# KiCad board GateMateA1-EVB_Rev_B.kicad_pcb (continued)
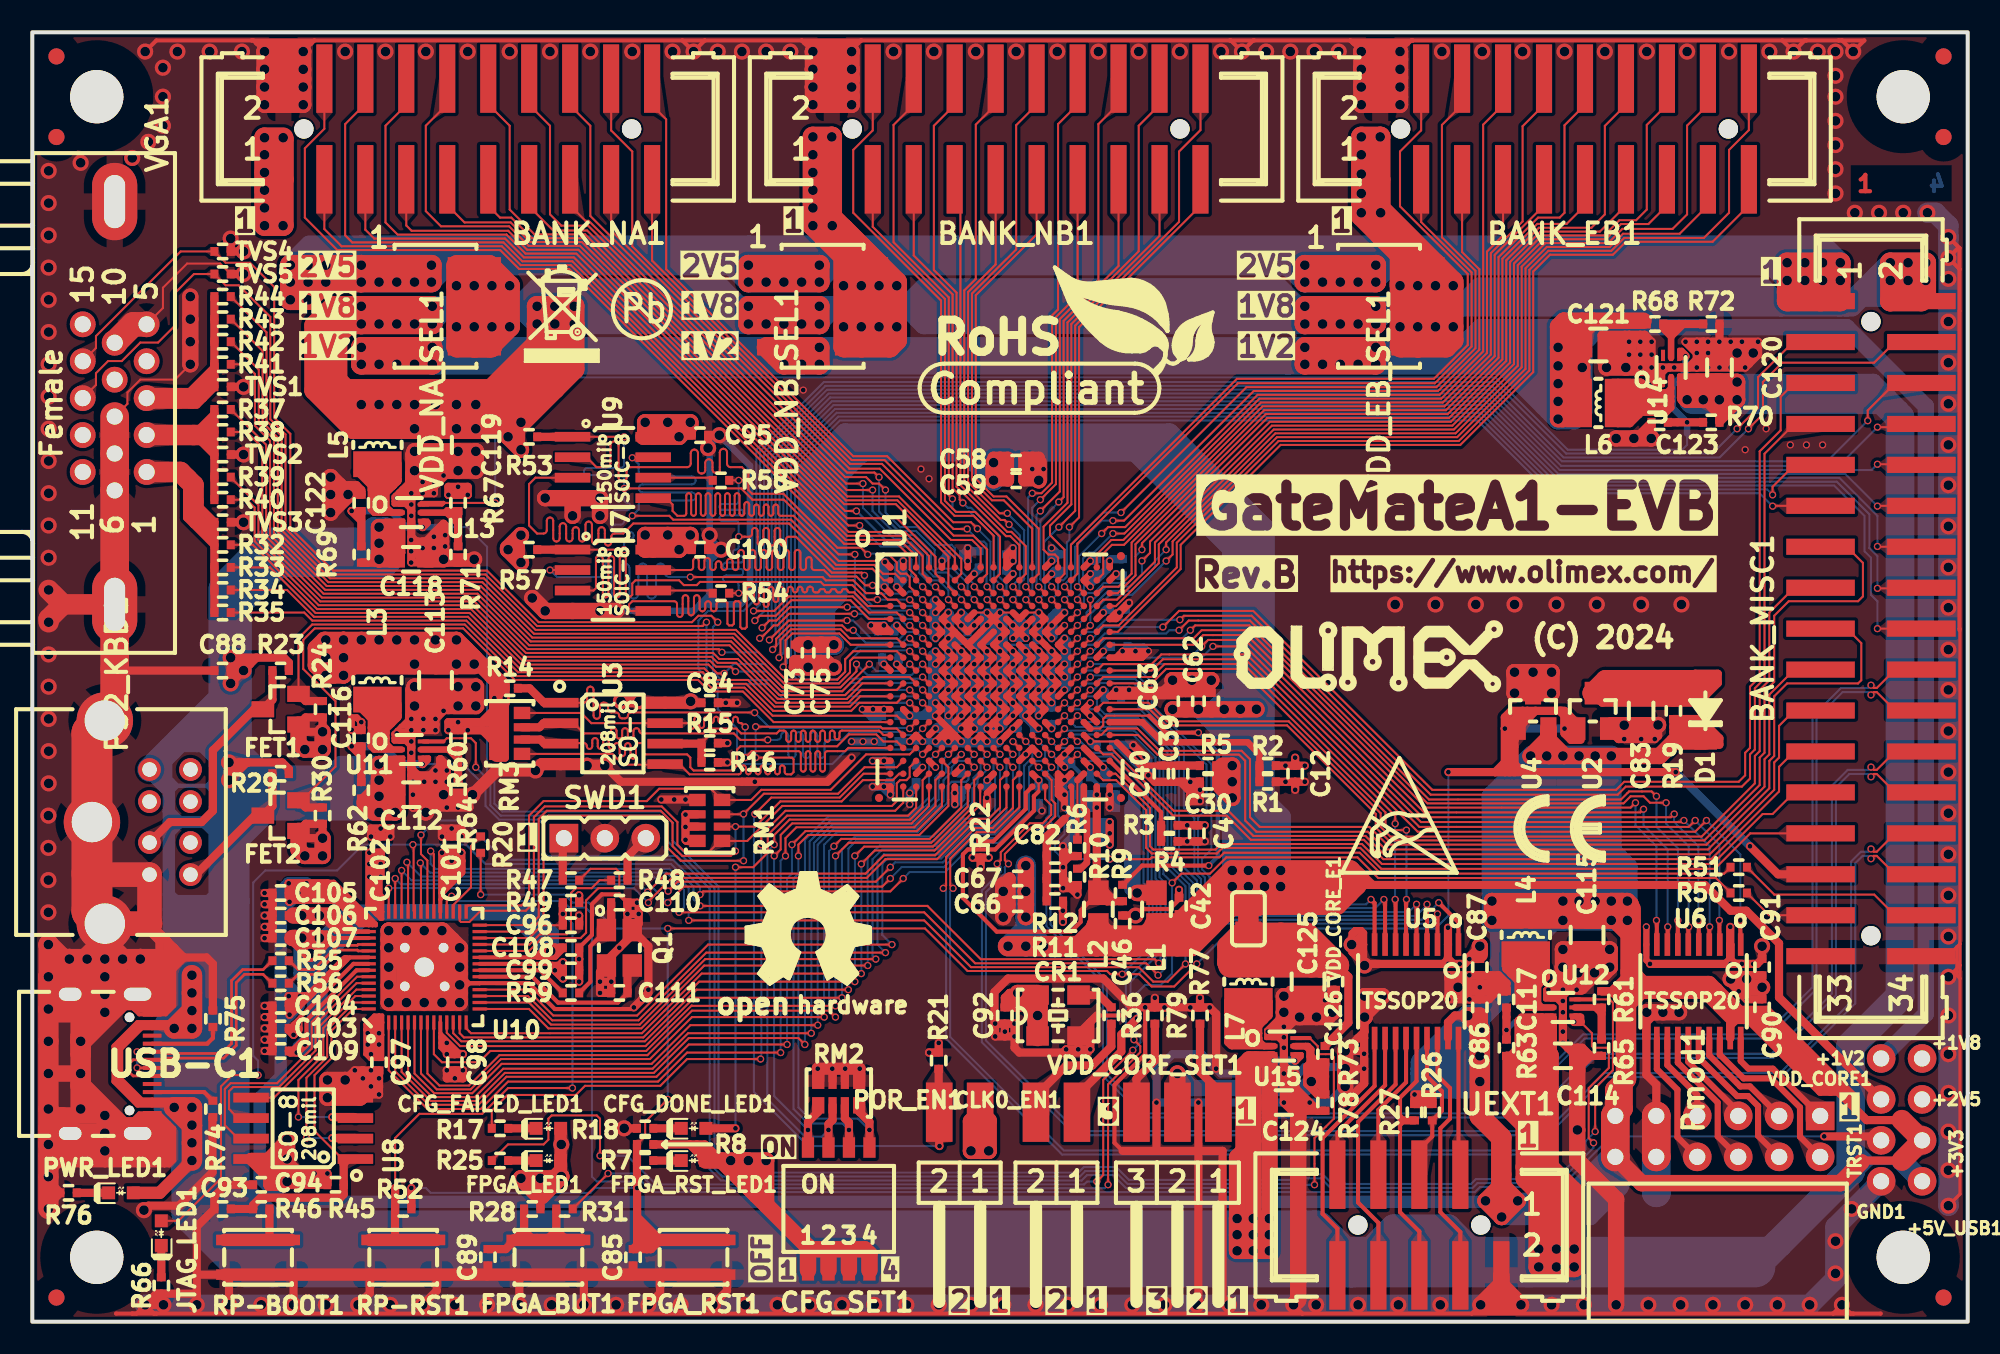
[diagram p0: board, top side]
## Routing (per net, layer and track width the routed paths; a pad name or vN(x,y) marks a point on that pad's centre or on a via; arc(x,y) is an arc through that point) (continued)
/SER_RX_P: length 95.9
  Top w0.127: v1(56.48,26.89) 56.66,27.06 56.66,28.84 58.45,30.63 59.55,30.63 60.8,31.88 60.8,33.6 U1.U11 ; BANK_MISC1.30 115.5,27.76 114.36,28.9 114.18,28.9 v1(114,28.73)
  Bottom w0.127: v1(114,28.73) 113.82,28.9 113.48,28.9 113.03,28.45 113.03,19.75 108.45,15.17 97.57,15.17 92.77,10.37 63.85,10.37 56.66,17.56 56.66,26.71 v1(56.48,26.89)
/SER_TX_N: length 96.5
  Top w0.127: BANK_MISC1.26 115.5,32.84 114.36,33.98 114.18,33.98 v1(114,33.81) ; U1.V13 62.8,32.42 63.17,32.05 63.17,31.45 62.65,30.93 61.85,30.93 60.05,29.13 60.05,28.63 v1(59.82,28.41)
  Bottom w0.127: v1(114,33.81) 113.82,33.98 112.66,33.98 111.83,33.15 111.83,20.25 107.95,16.37 96.87,16.37 92.07,11.57 64.65,11.57 58.87,17.35 58.87,26.75 60.05,27.93 60.05,28.19 v1(59.82,28.41)
/SER_TX_P: length 97
  Top w0.127: v1(60.52,28.41) 60.3,28.63 60.3,29.02 61.95,30.67 62.75,30.67 63.43,31.35 63.43,32.15 63.2,32.38 63.2,33.6 U1.U13 ; BANK_MISC1.24 115.5,35.38 114.36,34.24 114.18,34.24 v1(114,34.41)
  Bottom w0.127: v1(60.52,28.41) 60.3,28.19 60.3,27.82 59.13,26.65 59.13,17.45 64.75,11.83 91.97,11.83 96.77,16.63 107.85,16.63 111.57,20.35 111.57,33.25 112.56,34.24 113.82,34.24 v1(114,34.41)
/UEXT_CS#: length 16.4
  Top w0.254: U5.12 83.22,14.62 80,11.4 80,6.7 80.92,5.78 UEXT1.10
/UEXT_MISO: length 9.2
  Top w0.254: U5.15 85.18,14.86 83.46,13.14 UEXT1.7
/UEXT_MOSI: length 16.2
  Top w0.254: UEXT1.8 83.46,6.14 82.2,7.4 82.2,12.4 84.53,14.72 U5.14
/UEXT_RXD: length 15.8
  Top w0.254: UEXT1.4 88.54,5.56 87.3,6.8 87.3,12 87.9,12.6 87.9,14.5 87.12,15.28 U5.18
/UEXT_SCK: length 9.7
  Top w0.254: UEXT1.9 80.92,11.72 83.88,14.67 U5.13
/UEXT_SCL: length 9.4
  Top w0.254: UEXT1.5 86,10.7 86.8,11.5 R26.2 87.4,13.09 87.4,14.3 86.47,15.22 U5.17
/UEXT_SDA: length 17.3
  Top w0.254: 84.8,12.8 84.8,13.9 85.82,14.92 U5.16 ; 84.8,12.8 84.8,12 ; 84.8,12.8 85.11,12.49 84.8,12.18 84.8,12 ; UEXT1.6 86,5.6 84.8,6.8 84.8,12
  Top w0.508: R27.2 85.11,12.49
/UEXT_TXD: length 8.5
  Top w0.254: U5.20 88.43,9.24 UEXT1.3
/USB_D+: length 15.7
  Top w0.165: USB-C1.B6 6.25,15.25 6,15.5 6,16 6.25,16.25 USB-C1.A6 8.29,16.25 8.4,16.35 11.86,16.35 12.65,17.14 12.65,21.04 13.16,21.55 14.31,21.55 14.87,21 R56.1
/USB_D-: length 15
  Top w0.165: USB-C1.A7 v1(6.5,15.75) ; v1(6.5,16.75) USB-C1.B7 8.29,16.75 8.4,16.65 11.74,16.65 12.35,17.26 12.35,21.16 13.04,21.85 14.31,21.85 14.87,22.4 R55.1
  Bottom w0.165: v1(6.5,15.75) v1(6.5,16.75)
/VGA_Blue_0: length 59.5
  Top w0.127: R44.2 14.52,61.39 14.52,55.89 15.46,54.95 15.46,49.11 18.45,46.12 28,46.12 31.2,42.92 43.63,42.92 46.71,39.84 49.91,39.84 50.4,40.33 50.4,41.1 50.9,41.6 53.6,41.6 U1.H2
/VGA_Blue_1: length 57.3
  Top w0.127: U1.H1 50.9,41.2 50.7,41 50.7,40.29 50.01,39.6 46.61,39.6 43.53,42.68 31.1,42.68 27.9,45.88 18.35,45.88 15.22,49.01 15.22,54.85 14.28,55.79 14.28,60.22 R43.2
/VGA_Blue_2: length 59.1
  Top w0.127: U1.J4 v1(55.2,40.8) ; v1(51.1,40.8) 51.1,40.35 50.1,39.36 46.57,39.36 46.56,39.36 46.51,39.36 43.43,42.44 31,42.44 27.8,45.64 18.25,45.64 14.98,48.92 14.98,54.75 14.04,55.69 14.04,59.06 R42.2
  Bottom w0.127: v1(51.1,40.8) 51.77,40.13 54.53,40.13 v1(55.2,40.8)
/VGA_Blue_3: length 57.4
  Top w0.127: v1(51.9,40.8) 50.22,39.12 46.47,39.12 46.47,39.12 46.42,39.12 43.33,42.21 30.91,42.21 27.71,45.41 18.16,45.41 14.74,48.82 14.74,54.66 13.81,55.59 13.81,58.79 13.2,59.4 R41.2 ; U1.J3 v1(54.4,40.8)
  Bottom w0.127: v1(54.4,40.8) 53.97,40.37 52.33,40.37 v1(51.9,40.8)
/VGA_Green_0: length 48.6
  Top w0.127: R40.2 13.3,51 13.78,50.52 13.78,48.43 17.76,44.45 27.31,44.45 30.51,41.25 42.12,41.25 42.49,40.88 43.65,40.88 46.12,38.4 50.6,38.4 51.4,39.2 53.6,39.2 U1.K2
/VGA_Green_1: length 48.3
  Top w0.127: R39.2 12.31,52.38 14.02,50.66 14.02,48.53 17.86,44.69 27.41,44.69 30.61,41.49 42.22,41.49 42.59,41.12 43.75,41.12 46.22,38.64 46.27,38.64 46.27,38.64 50.5,38.64 51.46,39.6 U1.K1
/VGA_Green_2: length 53.6
  Top w0.127: v1(42.76,41.53) 42.57,41.73 30.71,41.73 27.51,44.93 17.96,44.93 14.26,48.63 14.26,54.24 13.3,55.2 R38.2 ; U1.K4 v1(55.2,40)
  Bottom w0.127: v1(42.76,41.53) 45.02,41.53 47.19,39.36 50.12,39.36 50.66,39.89 55.09,39.89 v1(55.2,40)
/VGA_Green_3: length 53.8
  Top w0.127: U1.K3 54.4,40 51.52,40 50.4,38.88 46.37,38.88 46.37,38.88 46.32,38.88 43.23,41.97 30.81,41.97 27.61,45.17 18.06,45.17 14.5,48.72 14.5,54.41 R37.2
/VGA_HSync: length 76.8
  Top w0.127: VGA1.13 3.95,58.12 3.95,58.85 4.7,59.6 5.55,59.6 6.7,60.75 7.8,60.75 8.8,61.75 8.8,63.78 10.03,65 TVS5.2 11.99,64.3 12.8,64.3 14.76,62.34 14.76,55.99 15.7,55.05 15.7,49.21 18.55,46.36 28.1,46.36 31.3,43.16 41.56,43.16 v1(41.8,43.4) ; U1.M3 v1(54.4,38.4)
  Bottom w0.127: v1(54.4,38.4) 46.8,38.4 45.65,39.55 42.65,39.55 41.8,40.4 v1(41.8,43.4)
/VGA_Red_0: length 44.6
  Top w0.127: R35.2 16.86,44 17.36,43.5 26.91,43.5 30.11,40.3 41.57,40.3 42.28,39.58 44.26,39.58 45.94,37.9 50.78,37.9 51.28,38.4 53.6,38.4 U1.L2
/VGA_Red_1: length 44.2
  Top w0.127: R34.2 15.8,45.4 17.46,43.73 27.01,43.73 30.21,40.53 41.67,40.53 42.38,39.82 44.37,39.82 46.03,38.16 50.7,38.16 51.34,38.8 U1.L1
/VGA_Red_2: length 47.5
  Top w0.127: R33.2 14.74,46.8 17.56,43.97 27.11,43.97 30.31,40.77 41.92,40.77 42.47,40.22 v1(42.9,40.22) ; U1.L4 v1(55.2,39.2)
  Bottom w0.127: v1(42.9,40.22) 43.48,40.8 45.41,40.8 47.1,39.12 50.22,39.12 50.74,39.64 54.76,39.64 v1(55.2,39.2)
/VGA_Red_3: length 46.7
  Top w0.127: v1(43.6,40.34) 43.3,40.64 42.39,40.64 42.02,41.01 30.41,41.01 27.21,44.21 17.66,44.21 13.67,48.2 R32.2 ; U1.L3 v1(54.4,39.2)
  Bottom w0.127: v1(43.6,40.34) 45.54,40.34 47,38.88 50.38,38.88 50.7,39.2 v1(54.4,39.2)
/VGA_VSync: length 78.3
  Top w0.127: U1.M4 v1(55.2,38.4) ; v1(42.5,43.4) 42.1,43.8 41.3,43.8 40.9,43.4 31.4,43.4 28.2,46.6 18.65,46.6 16,49.25 16,55.09 15,56.09 15,64.2 13.5,65.7 11.99,65.7 TVS4.2 9.2,66.4 3.95,61.15 3.95,60.41 VGA1.14
  Bottom w0.127: v1(42.5,43.4) 42.2,43.1 42.2,40.34 42.73,39.81 45.73,39.81 46.9,38.64 50.49,38.64 50.65,38.8 54.8,38.8 v1(55.2,38.4)
/WB_A8: length 90.6
  Top w0.127: BANK_MISC1.9 109.26,53.16 107.9,51.8 v1(107.9,51.3) ; U1.H3 v1(54.4,41.6)
  Bottom w0.127: v1(107.9,51.3) 107.56,51.64 94.22,51.64 89.71,56.15 49.97,56.15 47.05,53.23 47.05,53.19 47.04,53.18 47.04,40.22 47.65,39.61 50.03,39.61 50.7,40.28 50.7,41 51.35,41.65 54.35,41.65 v1(54.4,41.6)
/WB_B8: length 90
  Top w0.127: U1.H4 v1(55.2,41.6) ; v1(107.9,50.6) 107.92,50.62 BANK_MISC1.11
  Bottom w0.127: v1(55.2,41.6) 54.8,42 54.2,42 54.09,41.89 51.19,41.89 50.4,41.1 50.4,40.32 49.93,39.85 47.75,39.85 47.28,40.32 47.28,53.08 47.29,53.09 47.29,53.14 50.07,55.91 89.61,55.91 94.12,51.4 107.1,51.4 v1(107.9,50.6)
/WC_A0: length 102.3
  Top w0.127: v1(46.56,40.62) 46.7,40.77 46.7,42.27 47.13,42.7 50.04,42.7 50.74,42 U1.G1 ; v1(114.4,43) BANK_MISC1.18
  Bottom w0.127: v1(114.4,43) 114.4,44.7 114,45.1 114,47.4 113.6,47.8 113.6,50 111.72,51.88 94.32,51.88 89.81,56.39 49.87,56.39 46.81,53.33 46.81,53.29 46.8,53.28 46.8,40.87 v1(46.56,40.62)
/WC_A1: length 99.4
  Top w0.127: U1.G3 v1(54.4,42.4) ; v1(50.9,42.9) 50.51,42.9 50.21,43.2 46.95,43.2 46.12,42.38 46.12,41.92 v1(45.9,41.7) ; v1(114.4,48.1) 114.42,48.08 BANK_MISC1.14
  Bottom w0.127: v1(114.4,48.1) 114.4,50 112.04,52.36 94.52,52.36 90.01,56.87 49.67,56.87 46.33,53.53 46.33,53.49 46.32,53.47 46.32,42.12 v1(45.9,41.7) ; v1(54.4,42.4) 54.22,42.4 53.95,42.13 51.67,42.13 v1(50.9,42.9)
/WC_A2: length 97.3
  Top w0.127: v1(50.98,43.92) 46.92,43.92 46.2,43.2 45.97,43.2 45.17,42.4 v1(45.1,42.4) ; v1(114.4,53.2) 117.09,53.2 BANK_MISC1.10 ; U1.F3 v1(54.4,43.2)
  Bottom w0.127: v1(114.4,53.2) 114.04,52.84 94.71,52.84 90.2,57.34 49.47,57.34 45.84,53.72 45.84,43.08 45.17,42.4 v1(45.1,42.4) ; v1(54.4,43.2) 54.21,43.2 53.77,43.64 51.8,43.64 51.52,43.92 v1(50.98,43.92)
/WC_A3: length 97.7
  Top w0.127: v1(44.8,43.5) 45.1,43.8 46.1,43.8 47.06,44.76 50.73,44.76 51.89,43.6 U1.E1 ; v1(113.8,55.9) 113.8,56.54 115.5,58.24 BANK_MISC1.6
  Bottom w0.127: v1(113.8,55.9) 111.28,53.38 94.84,53.38 90.4,57.82 49.28,57.82 45.37,53.91 45.37,44.07 v1(44.8,43.5)
/WC_B0: length 100.7
  Top w0.127: BANK_MISC1.16 117.09,45.5 v1(114.4,45.5) ; v1(46.3,41.2) 46.39,41.29 46.39,42.3 47.05,42.96 50.11,42.96 50.67,42.4 53.6,42.4 U1.G2
  Bottom w0.127: v1(114.4,45.5) 114.4,47.5 113.9,48 113.9,50.1 111.88,52.12 94.42,52.12 89.91,56.63 49.77,56.63 46.57,53.43 46.57,53.39 46.56,53.37 46.56,41.46 v1(46.3,41.2)
/WC_B1: length 98.1
  Top w0.127: U1.G4 v1(55.2,42.4) ; 45.74,42.34 v1(45.7,42.3) 46.9,43.5 50.51,43.5 v1(50.52,43.51) ; BANK_MISC1.12 114.42,50.62 v1(114.4,50.6)
  Bottom w0.127: v1(45.7,42.3) 46.08,42.68 46.08,53.57 46.1,53.58 46.1,53.63 49.57,57.11 90.11,57.11 94.61,52.6 112.4,52.6 v1(114.4,50.6) ; v1(50.52,43.51) 50.89,43.51 52.03,42.37 53.77,42.37 54.2,42.8 54.8,42.8 v1(55.2,42.4)
/WC_B2: length 98.4
  Top w0.127: v1(114.4,55.5) 116.93,55.5 BANK_MISC1.8 ; U1.F4 v1(55.2,43.2) ; v1(50.53,44.33) 46.97,44.33 46.14,43.5 45.7,43.5 v1(45.25,43.05)
  Bottom w0.127: v1(114.4,55.5) 112,53.1 94.79,53.1 90.3,57.58 49.37,57.58 45.61,53.82 45.61,43.41 v1(45.25,43.05) ; v1(55.2,43.2) 54.8,43.6 54.21,43.6 53.93,43.88 51.92,43.88 51.47,44.33 v1(50.53,44.33)
/WC_B3: length 100
  Top w0.127: U1.E2 53.6,44 51.87,44 50.87,45 46.9,45 46,44.1 v1(44.72,44.1) ; v1(106.4,55.4) 107.3,56.3 107.3,58.3 108.5,59.5 114.2,59.5 115.48,60.78 BANK_MISC1.4
  Bottom w0.127: v1(44.72,44.1) 45.13,44.51 45.13,54.01 49.18,58.06 90.5,58.06 94.94,53.62 104.62,53.62 v1(106.4,55.4)
/~{BOOTSEL}: length 6.1
  Top w0.508: R46.2 14.71,5.08 14.7,5.08
  Top w0.762: RP-BOOT1.1 RP-BOOT1.1
Net-(BANK_MISC1-Pad31): length 5.1
  Top w0.127: BANK_MISC1.31 107.69,25.22 R50.2
Net-(BANK_MISC1-Pad32): length 12.1
  Top w0.127: BANK_MISC1.32 115.48,25.22 114.2,26.5 108.01,26.5 R51.1
Net-(C89-Pad1): length 12.3
  Top w0.508: 32.49,5.67 31.9,5.08 ; 32.49,5.67 32.51,5.67 33.1,5.08 ; 32.49,5.67 R31.1 ; 30.49,5.64 31.06,5.08 31.3,5.08 ; 30.49,5.64 R28.1 ; 30.49,5.64 FPGA_BUT1.1 29.36,4.51 C89.1
  Top w0.762: FPGA_BUT1.1 FPGA_BUT1.1
Net-(C110-Pad1): length 6.4
  Top w0.254: R59.1 34.6,21.09 34.6,23.3 Q1.1
  Top w0.508: C110.1 35.89,24.59 Q1.1
Net-(CFG_DONE_LED1-K): length 1.7
  Top w0.508: R18.1 CFG_DONE_LED1.1
Net-(CFG_FAILED_LED1-K): length 1.7
  Top w0.508: R17.1 CFG_FAILED_LED1.1
Net-(CLK0_EN1-Pad2): length 8.4
  Top w0.508: CLK0_EN1.2 62.23,14.02 64.11,15.9 65.72,15.9 66.9,17.08 R36.1
Net-(CR1-OUT): length 2.3
  Top w0.508: CR1.3 66.14,20.27 R36.2
Net-(D1-A): length 27.2
  Top w0.508: R19.2 97.34,38.41 U2.3 ; R19.2 101.75,38.95 101.7,39 ; R19.2 103.28,38.41 103.75,38.88 ; 103.75,38.88 104.5,39.62 104.5,40.2 103.1,40.2 102.7,39.8 ; 103.75,38.88 D1.2
  Top w1.27: 102.95,39 D1.2 97.55,39.8 U2.3 102.95,39
Net-(FET1-D): length 15.3
  Top w0.508: R23.2 14.89,38.59 FET1.3 13.75,38 11.2,35.45 11.2,31.7 10.5,31 8.54,31 PS2_KBD1.1
Net-(FET2-D): length 8.9
  Top w0.508: PS2_KBD1.5 10.14,27.74 13.8,31.4 FET2.3 14.89,31.99 R29.2
Net-(FPGA_LED1-K): length 1.7
  Top w0.508: R25.1 FPGA_LED1.1
Net-(FPGA_RST_LED1-K): length 1.7
  Top w0.508: R7.1 FPGA_RST_LED1.1
Net-(JTAG_LED1-K): length 2
  Top w0.508: JTAG_LED1.1 R66.1
Net-(PWR_LED1-K): length 2
  Top w0.508: R76.1 PWR_LED1.1
Net-(R1-Pad2): length 11.8
  Top w0.406: U1.N18 68.82,37.2 70.07,35.95 75.35,35.95 76.08,35.22 R2.2
  Top w0.508: R2.2 R1.2
Net-(R3-Pad2): length 6.3
  Top w0.254: U1.T18 69.99,31.61 R3.2
  Top w0.508: R3.2 R4.2
Net-(R6-Pad2): length 4.3
  Top w0.127: 64.8,33.6 64.8,31.4
  Top w0.254: R6.2 64.8,31.4
  Top w0.406: U1.U16 64.8,33.6
Net-(R10-Pad2): length 5.5
  Top w0.406: U1.V16 65.2,31.85 65.39,31.66 65.39,28.49 65.01,28.11 R10.2
Net-(R47-Pad2): length 2.6
  Top w0.508: R47.2 32.89,29.93 SWD1.1
Net-(R48-Pad2): length 3.1
  Top w0.508: SWD1.3 36.91,28.87 R48.2
Net-(R77-Pad2): length 6
  Top w0.508: VDD_CORE_SET1.1 73.54,14.36 72.4,15.5 R77.2
Net-(R79-Pad1): length 6
  Top w0.508: VDD_CORE_SET1.3 68.46,15.06 69.6,16.2 R79.1
Net-(TVS1-IO2): length 19.2
  Top w0.508: R41.1 11.29,59.19 9.4,57.3 9.2,57.3 ; R41.1 11.29,58.6 ; R41.1 R42.1 R43.1 R44.1 ; 11.29,58.6 10,57.31 10,57.3 10.59,57.3 ; 11.29,58.6 TVS1.2 10.59,57.3 ; 10.59,57.3 10.19,56.9 9.8,56.9 ; 9.99,56.9 8.8,56.9 ; 9,56.9 7.49,56.9 VGA1.3
  Top w1.27: 10,57.3 VGA1.3
Net-(TVS2-IO2): length 15.8
  Top w0.508: TVS2.2 10.08,55.01 10,55.01 11.29,56.3 11.29,56.3 ; TVS2.2 11.29,54.2 ; TVS2.2 R39.1 R40.1 ; R38.1 11.29,54.2 ; R38.1 11.29,55.8 ; R38.1 11.1,55.01 10.5,55.01 10.5,55.01 ; 11.29,54.2 11.29,54.22 10.5,55.01 ; 11.29,55.8 11.29,56.3 ; 11.29,55.8 10.5,55.01 ; 11.29,56.3 R37.1
  Top w1.27: VGA1.2 10.5,55.01
Net-(TVS3-IO2): length 23.5
  Top w0.508: 11.29,48.8 11.29,48.91 10,50.2 ; 11.29,48.8 TVS3.2 ; 11.29,48.8 11.29,48.6 ; 10,50.2 10.6,49.6 TVS3.2 ; 10,50.2 10,49.89 11.29,48.6 ; 10,50.2 10,49.49 ; R32.1 10,49.49 ; R32.1 R33.1 R34.1 R35.1 ; R32.1 11.29,48.6 ; 10,49.49 9.6,49.89 9.6,52.3 ; TVS3.2 10,50.89 10,50.9
  Top w1.27: VGA1.1 9.18,52.72 10,51.9 10,50.2
Net-(U1A-SER_RTERM): length 5.2
  Top w0.254: R22.1 59.59,29.81 61.6,31.82 61.6,32.8 U1.V12
Net-(U1G-NC): length 23.1
  Top w0.127: 69.23,37.6 66.6,37.6 66.4,37.4 66.4,37 66.2,36.8 65.6,36.8
  Top w0.254: v1(72.94,28.3) 68.82,28.3 67.62,27.11 R9.2 ; 69.23,37.6 70.28,36.55 v1(72.3,36.55)
  Top w0.406: U1.N16 65.6,36.8
  Bottom w0.254: v1(72.3,36.55) 73.5,35.35 73.5,28.86 v1(72.94,28.3)
Net-(U1H-POR_ADJ): length 7.8
  Top w0.254: 64,31.2 64.46,31.66 64.46,33.14 U1.V15
  Top w0.508: 64,31.2 62.89,30.09 C82.1 R12.1 R11.1
Net-(U6-B1): length 7.8
  Top w0.381: U6.20 105.93,16.17 106.4,15.7 107.92,15.7 Pmod1.1
Net-(U6-B2): length 10.9
  Top w0.381: U6.18 104.62,16.58 106.1,15.1 107.8,15.1 109.6,13.3 109.6,11.48 Pmod1.7
Net-(U6-B3): length 7
  Top w0.381: Pmod1.2 108.31,12.79 106.5,14.6 105.9,14.6 103.97,16.53 U6.17
Net-(U6-B4): length 9.8
  Top w0.381: Pmod1.8 107,11.54 107,13.38 106.38,14 105.7,14 103.32,16.38 U6.16
Net-(U6-B5): length 6.1
  Top w0.381: Pmod1.3 105.77,13.03 102.68,16.12 U6.15
Net-(U6-B6): length 8.9
  Top w0.381: Pmod1.9 104.5,11.5 104.5,13.6 102.03,16.08 U6.14
Net-(U6-B7): length 5.6
  Top w0.381: Pmod1.4 103.23,14.07 101.38,15.92 U6.13
Net-(U6-B8): length 8.4
  Top w0.381: U6.12 100.72,15.67 102,14.4 102,11.46 Pmod1.10
Net-(U7-SCLK): length 3.8
  Top w0.127: R54.1 42.03,45.36 U7.6
Net-(U9-SCLK): length 3.8
  Top w0.127: R58.1 42.03,52.36 U9.6
Net-(U10-XIN): length 11.9
  Top w0.254: U10.20 30.99,21.41 32.6,19.8 36.31,19.8 C111.1
  Top w0.508: C111.1 36.91,21.81 Q1.2
Net-(U10-XOUT): length 5.7
  Top w0.254: R59.2 31.49,21.81 U10.21
Net-(U11-FB): length 6.1
  Top w0.406: 25.8,35.5 25.99,35.69 R60.1 26.21,35.5 25.8,35.5 ; 25.8,35.5 26.4,34.9 ; 25.8,35.5 24.11,35.5
  Top w0.508: R64.1 R60.1
Net-(U11-SW): length 20.7
  Top w0.406: 21.96,35.84 21.96,36.2 ; 21.96,35.84 21.14,35.84 21,35.7 ; 21.96,35.84 22.3,35.5 ; 21.96,36.2 21.96,36.55 ; 21.96,36.2 21.05,36.2 21,36.25 ; 22.3,35.5 21.2,35.5 21,35.7 ; 22.3,35.5 22.89,35.5 ; 21,36.55 21,36.85 ; 21,36.55 21,36.25 ; 21,36.55 21.96,36.55 ; 21,36.85 21.8,36.85 21.96,37.01 21.96,36.55 ; 21,36.85 21,37.65 ; 21,36.25 21,35.7
  Top w0.762: L3.1 20.65,38.6 20.35,38.3 21.42,37.22 ; L3.1 21.85,38.15 21.85,37.5 21.42,37.92 ; L3.1 21.5,38.6 22.53,37.58 ; L3.1 20.8,38.6 20.78,38.58 ; 20.78,38.58 21.42,37.92 ; 20.78,38.58 20.45,38.9 ; 21.42,37.92 21.42,37.22 ; 21.42,37.22 22.17,37.22 ; 21.96,37.01 22.17,37.22 ; 22.17,37.22 22.53,37.58 ; 22.53,38.28 22.53,37.58
Net-(U12-FB): length 4.6
  Top w0.406: U12.5 97.29,19.5 ; 97.29,19.5 R61.1 ; 97.29,19.5 96.9,19.5 97.3,19.1
  Top w0.508: R61.1 R65.1
Net-(U12-SW): length 23.4
  Top w0.406: 92.8,20.8 92.8,19.6 92.9,19.5 ; 92.1,21.2 92.1,19.8 92.4,19.5 92.7,19.5 ; 92.9,19.5 93.2,19.5 ; 92.9,19.5 92.7,19.5 ; 92.7,19.5 92.5,19.7 92.5,20.8 ; 93.2,19.5 93,19.7 93,20.8 ; 93.2,19.5 94.29,19.5 ; 93.65,21.2 93.36,20.91 93.36,19.74 93.6,19.5
  Top w0.508: 93.75,21.6 93.85,21.7 ; 93.85,21.7 93.85,21.95 93.8,21.9 ; 93.85,21.7 93.85,21.4 ; 91.7,21.6 93.85,21.6 ; 91.7,21.6 91.4,21.9 ; 91.7,21.6 92.1,21.2 ; 92.1,21.2 93.65,21.2 93.85,21.4 ; 92.1,21.2 92.5,20.8 93.25,20.8 93.85,21.4 ; 91.4,21.9 93.65,21.9 92.75,22.8 L4.1 91.4,22.8 91.4,21.9
Net-(U13-FB): length 7.2
  Top w0.406: 25.8,50.1 26.21,50.1 R67.1 ; 24.11,50.2 26.31,50.2 R67.1 ; 26.4,49.5 25.7,50.2 25.6,50.2 25.74,50.34 26.4,50.34 R67.1
  Top w0.508: R67.1 R71.1
Net-(U13-SW): length 24.7
  Top w0.406: 21,51.6 21,50.4 21.2,50.2 ; 21,51.6 21,51.86 20.13,52.73 20.6,53.2 L5.1 ; 21,51.6 21,52.4 20.95,52.45 ; 21.8,50.2 21.8,51.8 21.6,52 21.5,51.9 21.5,50.2 ; 21.8,50.2 21.5,50.2 ; 21.8,50.2 U13.2 ; 21.96,51.66 21.96,50.54 22.3,50.2 22.89,50.2 ; 21.5,50.2 21.2,50.2 ; 21.2,50.2 21.2,51.8 21.4,52
  Top w0.762: 22.53,52.23 22.37,52.23 L5.1 ; 22.53,52.23 22.53,53.2 ; 22.53,52.23 22.26,51.97 ; L5.1 21.4,52.83 22.26,51.97 ; L5.1 20.7,53.2 20.45,52.95 21.4,52 ; L5.1 21.4,52 ; 21.4,52 21.43,51.97 22.26,51.97 ; 22.26,51.97 21.96,51.66 ; 22.26,52 21.6,52
Net-(U14-FB): length 7.7
  Top w0.406: 101.61,61.1 101.61,61.41 ; 101.61,61.1 102.41,61.9 102.5,61.9 ; 101.61,61.1 101.12,61.59 R68.1 101.61,61.41 ; 101.61,61.1 101.61,59.81 ; 101.61,61.41 102.1,61.9
  Top w0.508: R68.1 R72.1
Net-(U14-SW): length 31.4
  Top w0.406: 99.6,56.3 99.7,56.4 101.3,56.4 101.61,56.71 ; 99.75,58.25 100.34,57.66 101.36,57.66 101.61,57.91 ; 100,56.7 100.01,56.71 101.61,56.71 ; 101.61,57.1 100,57.1 ; 101.61,57.1 101.61,57.4 ; 101.61,57.1 101.61,56.71 ; 101.61,58.59 101.61,57.91 ; 101.61,57.91 101.61,57.4 ; 101.61,57.4 100.11,57.4 100,57.29
  Top w0.508: 100,58 100,57.29 99.71,57 L6.1 ; 100,58 99.75,58.25 ; 100,58 100.34,57.66 ; 99.75,58.25 99.7,58.25 ; 99.75,58.25 97.99,58.25 ; L6.1 99,56.3 99.6,56.3 ; L6.1 98.3,58.25 ; L6.1 98.45,57 99.7,58.25 ; L6.1 99.1,57 100,57.9 100,56.7 ; L6.1 98.6,56.7 100,56.7 ; L6.1 98.3,55.75 99.05,55.75 99.6,56.3 ; L6.1 99.55,58.25 99.7,58.25 ; 99.6,56.3 100,56.7
Net-(U15-FB): length 26.9
  Top w0.406: 79.2,16.72 79.2,15.88 ; 78.95,17.1 79.2,16.85 79.2,16.45 79.76,15.89 79.95,15.89 R73.1 ; 78.95,17.1 U15.5 ; 78.95,17.1 79.1,17.1 ; 79.1,17.1 79.3,16.9 79.3,16.5 ; 79.1,17.1 78.21,17.1 ; R73.1 79.71,16.09 79.3,16.5 ; R73.1 80.11,16.09 ; 79.3,16.5 79.3,16.09
  Top w0.508: 79.05,15.8 80.15,15.8 ; 79.05,15.8 79.05,14.75 79.69,14.11 R78.1 ; 79.05,15.8 79.05,15.84 79.3,16.09 R73.1 80.15,15.8 ; 80.15,15.8 R78.1 ; R78.1 80.15,14.35 79.2,15.3
  Top w1.016: v2(79.3,14.9) 79.6,15.2 79.9,15.2 ; VDD_CORE_SET1.2 v2(71,15.4)
  Bottom w1.016: v2(79.3,14.9) 78.9,14.5 71.9,14.5 v2(71,15.4)
Net-(U15-SW): length 26.7
  Top w0.406: 76.06,17.6 76.06,17.34 74.52,17.34 74.34,17.16 74.4,17.1 77,17.1 ; 76.06,17.6 76.06,17.42 76.37,17.1 U15.2 ; 76.06,17.6 76.06,17.9 ; 76.06,17.6 74.25,17.6 74.15,17.7 74.35,17.9 76.06,17.9 ; 76.06,17.9 76.06,18.41 76.07,18.42 75.95,18.3 74.15,18.3
  Top w0.508: 74.34,17.16 74.15,17.35 74.15,18.3 ; 74.15,18.7 76.35,18.7 76.38,18.72 ; 74.15,18.7 74.15,19 ; 74.15,18.7 74.15,18.3 ; 74.15,19 74.15,19.9 L7.1 76.6,19.9 76.65,19.85 76.65,19 75.6,17.95 74.5,17.95 74.15,18.3 ; 74.15,19 76.3,19 ; 74.15,18.3 74.15,18.75
Net-(USB-C1-CC1): length 4.6
  Top w0.254: R75.2 11.2,17.6 10.85,17.25 USB-C1.A5
Net-(USB-C1-CC2): length 4
  Top w0.254: USB-C1.B5 10.66,14.25 R74.2

## Copper pours and planes (outline as drawn; the poured copper is in the pictures)
+1V8 on In2.Cu: 19.5,58.5 39.8,58.5 50,48.3 53.85,48.3 56.4,45.75 56.4,42.8 56.4,42.8 47.2,42.8 46.4,43.6 31.6,43.6 27.6,47.61 20.4,47.61 19.5,48.5
+2V5 on In2.Cu: -5,85 125,85 125,-5 -5,-5
GND on Top, Bottom, In1.Cu: 21.4,24.8 27.2,24.8 27.2,19.2 21.4,19.2
GND on Top, Bottom, In1.Cu: -10,90 130,90 130,-10 -10,-10
VDD_CORE on In2.Cu: 47.4,42.4 47.8,42.8 58.8,42.8 58.8,53.6 59.2,54 60,54 60.4,53.6 60.4,42.2 60.6,42 62.9,42 63.2,41.7 63.2,39.2 63.6,38.8 76.4,38.8 76.8,38.4 76.8,37.6 76.4,37.2 62.8,37.2 62.8,24.6 63.6,23.8 63.6,23 63.2,22.6 60,22.6 59.6,23 59.6,23.8 60.4,24.6 60.4,36.8 57.4,36.8 56.8,37.4 56.8,41.2 47.8,41.2 47.4,41.6
VDD_EB on In2.Cu: 78,82 78,69 65.5,56.5 65.5,49.35 63.75,47.6 63.75,44.15 63,43.38 63.01,43.01 62.75,42.75 62.75,42.25 63,42 63.4,42 63.8,42.4 66.91,42.4 78.5,54 88.75,54 93.5,58.75 93.5,65 94.25,65.75 106.75,65.75 112,71 112,82
VDD_NA on In2.Cu: 7.6,82 7.6,72.9 14.1,66.4 18.4,66.4 19.5,65.3 19.5,58.5 39.8,58.5 50,48.3 53.85,48.3 56.1,46.05 56.4,45.75 56.4,43.8 56.4,42.8 58.8,42.8 58.8,44.05 59.05,44.3 59.59,44.3 59.7,44.4 59.7,45.9 59.5,46.1 59.5,47.9 59.49,49.41 59.2,49.7 57.1,49.7 52.9,53.9 51,53.9 43.5,61.4 43.5,82
VDD_NB on In2.Cu: 43.5,82 43.5,61.4 51,53.9 52.9,53.9 57.1,49.7 59.2,49.7 59.5,49.4 59.5,46.1 59.7,45.9 59.7,42.2 59.9,42 62,42 63,43 63,43.38 63.75,44.15 63.75,47.6 65.5,49.35 65.5,56.5 78,69 78,82

Small or netless copper shapes (teardrops, artwork), in the pictures only: 959 on Top, 349 on Bottom, 4 on In2.Cu

## Text on the board
Bottom: 4
B.Silkscreen: TRST1 | +1V2 | +2V5 | FPGA Oscillator is connected to CLK0. | 1-2 Closed | 2-3 Closed | Both Opened | 6 | 12 | 5 | 11 | 4 | 10 | 3 | 9 | 2 | 8 | 1 | 7 | GND | +1V8 | +3V3 | +5V_USB | VDD_CORE | FPGA Oscillator is disconnected. | VDD_CORE=0.90V (Low power mode) | VDD_CORE=1.00V (Economy mode) | VDD_CORE=1.10V (Speed mode) | SET1 | VDD_CORE_ | SPI Passive Mode CPOL=0,CPHA=0 | SPI Passive Mode CPOL=0,CPHA=1 | SPI Passive Mode CPOL=1,CPHA=0 | SPI Passive Mode CPOL=1,CPHA=1 | SPI Active Mode CPOL=0,CPHA=0 | SPI Active Mode CPOL=0,CPHA=1 | SPI Active Mode CPOL=1,CPHA=0 | SPI Active Mode CPOL=1,CPHA=1 | Description | Configuration Mode | Configuration Mode Setup | Power-On Reset is disabled. | Power-On Reset is enabled. | JTAG | SW4 | OFF | ON | State | Closed | Opened | SW3 | CFG_SET1 | SW2 | Jumper | POR_EN1 | SW1 | CLK0_EN1 | Pmod
User.Comments: 4 Layers PCB / Dimensions: 120.00x80.00mm / Exclusions: 27
Top: 1
F.Silkscreen: OFF | https://www.olimex.com/ | 2V5 | 1V8 | 1V2 | 1 | 2 | 3 | (C) 2024 | Rev.B | GateMateA1-EVB
In1.Cu: 2
In2.Cu: 3
